# Altium PCB PCB_4Layer.PcbDoc
Units mm, origin at the board's own origin, x right, y up, seen from the top; angles counter-clockwise.
Board outline 43.08 x 74.79 mm, 4 copper layers (Top Layer, Signal Layer 1, Signal Layer 2, Bottom Layer), stack 1.58 mm thick; 40 components, 62 nets, 221 pads, 39 vias.
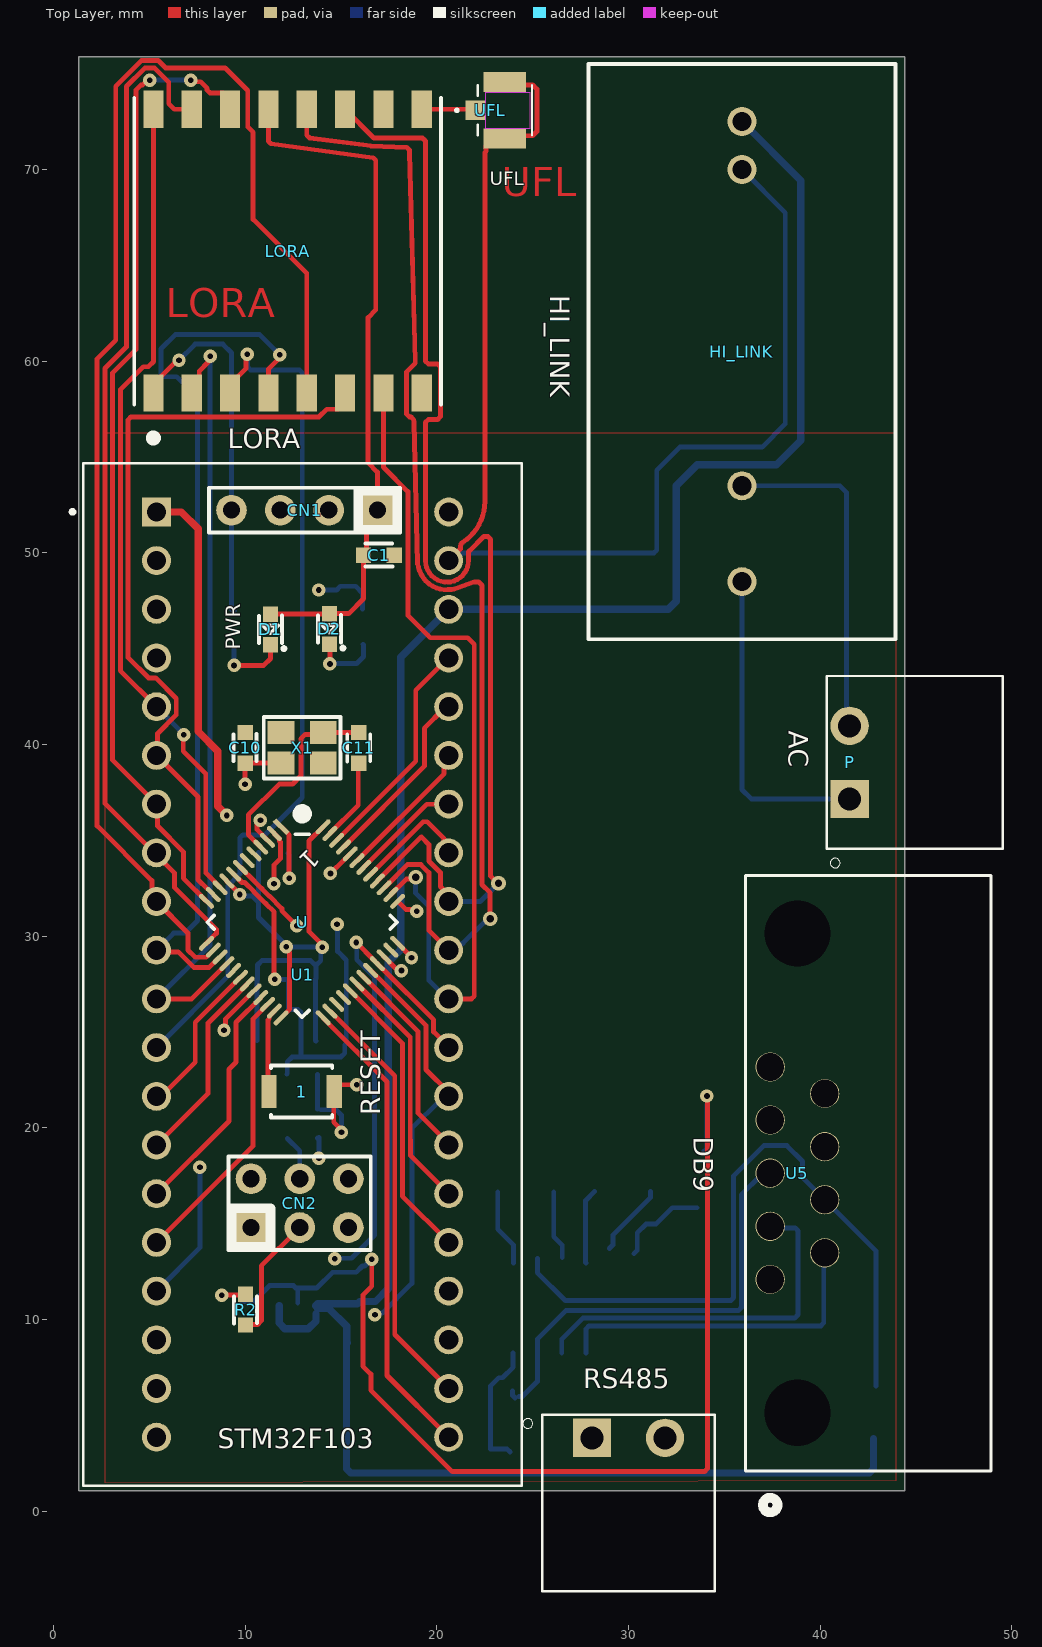
[diagram p0: Top Layer view]
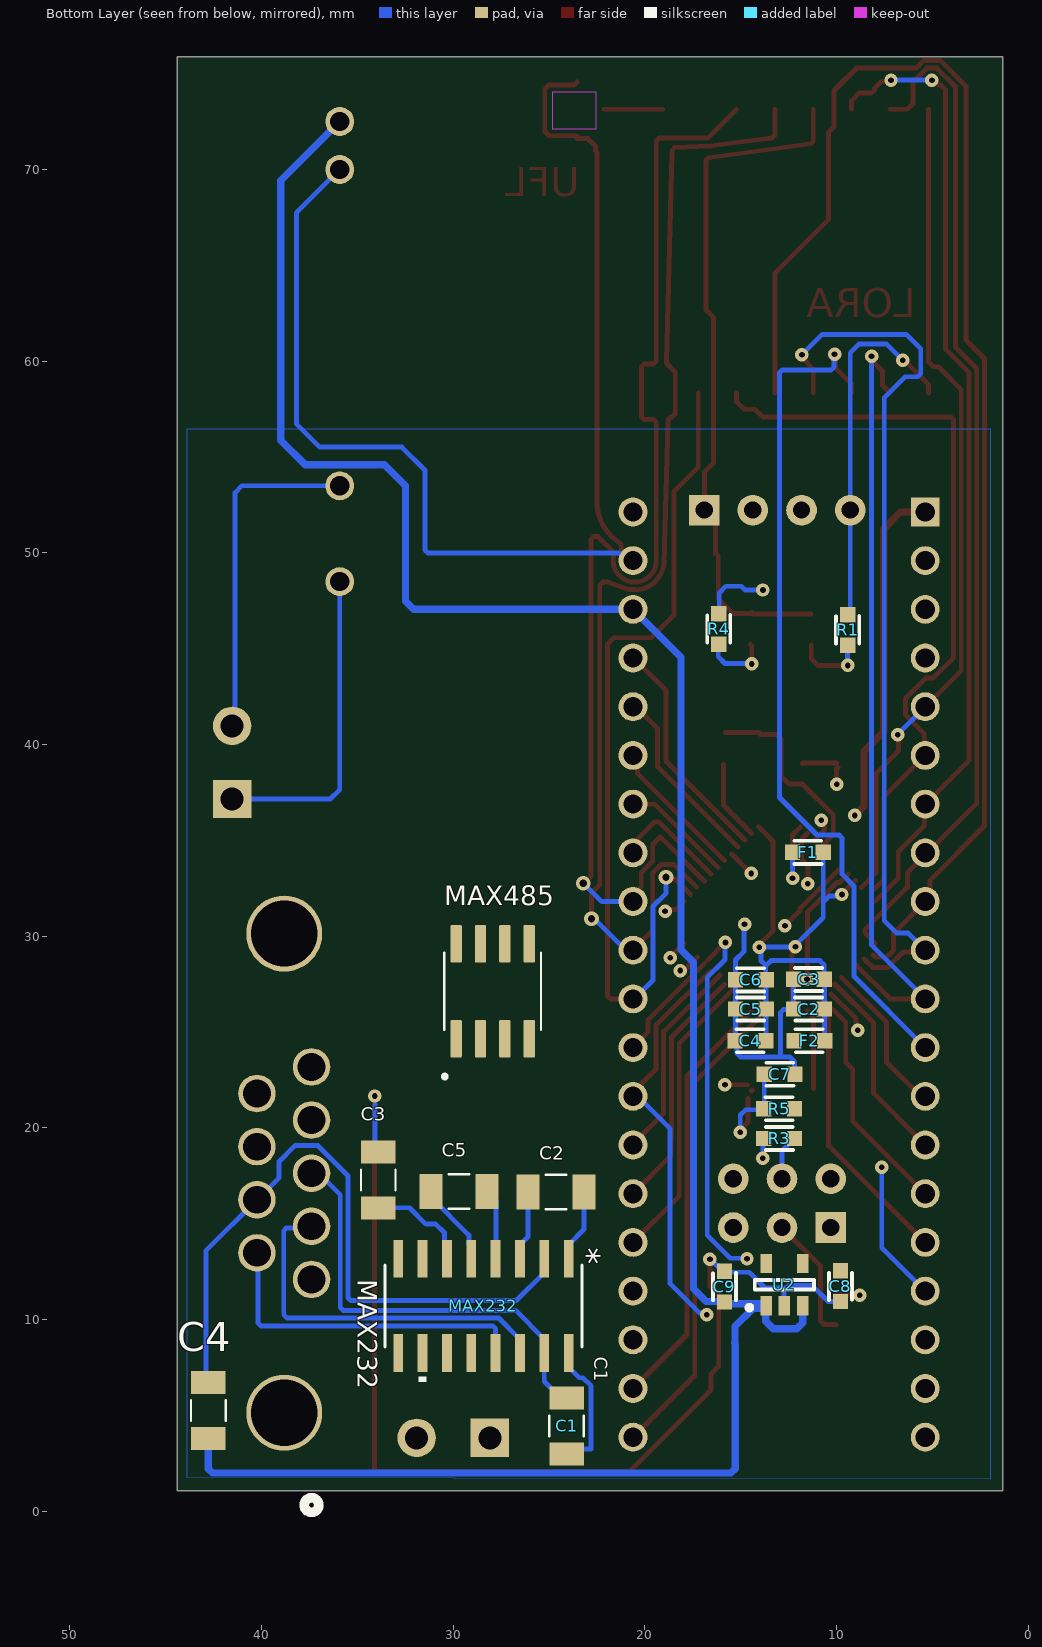
[diagram p1: Bottom Layer view, seen from below]
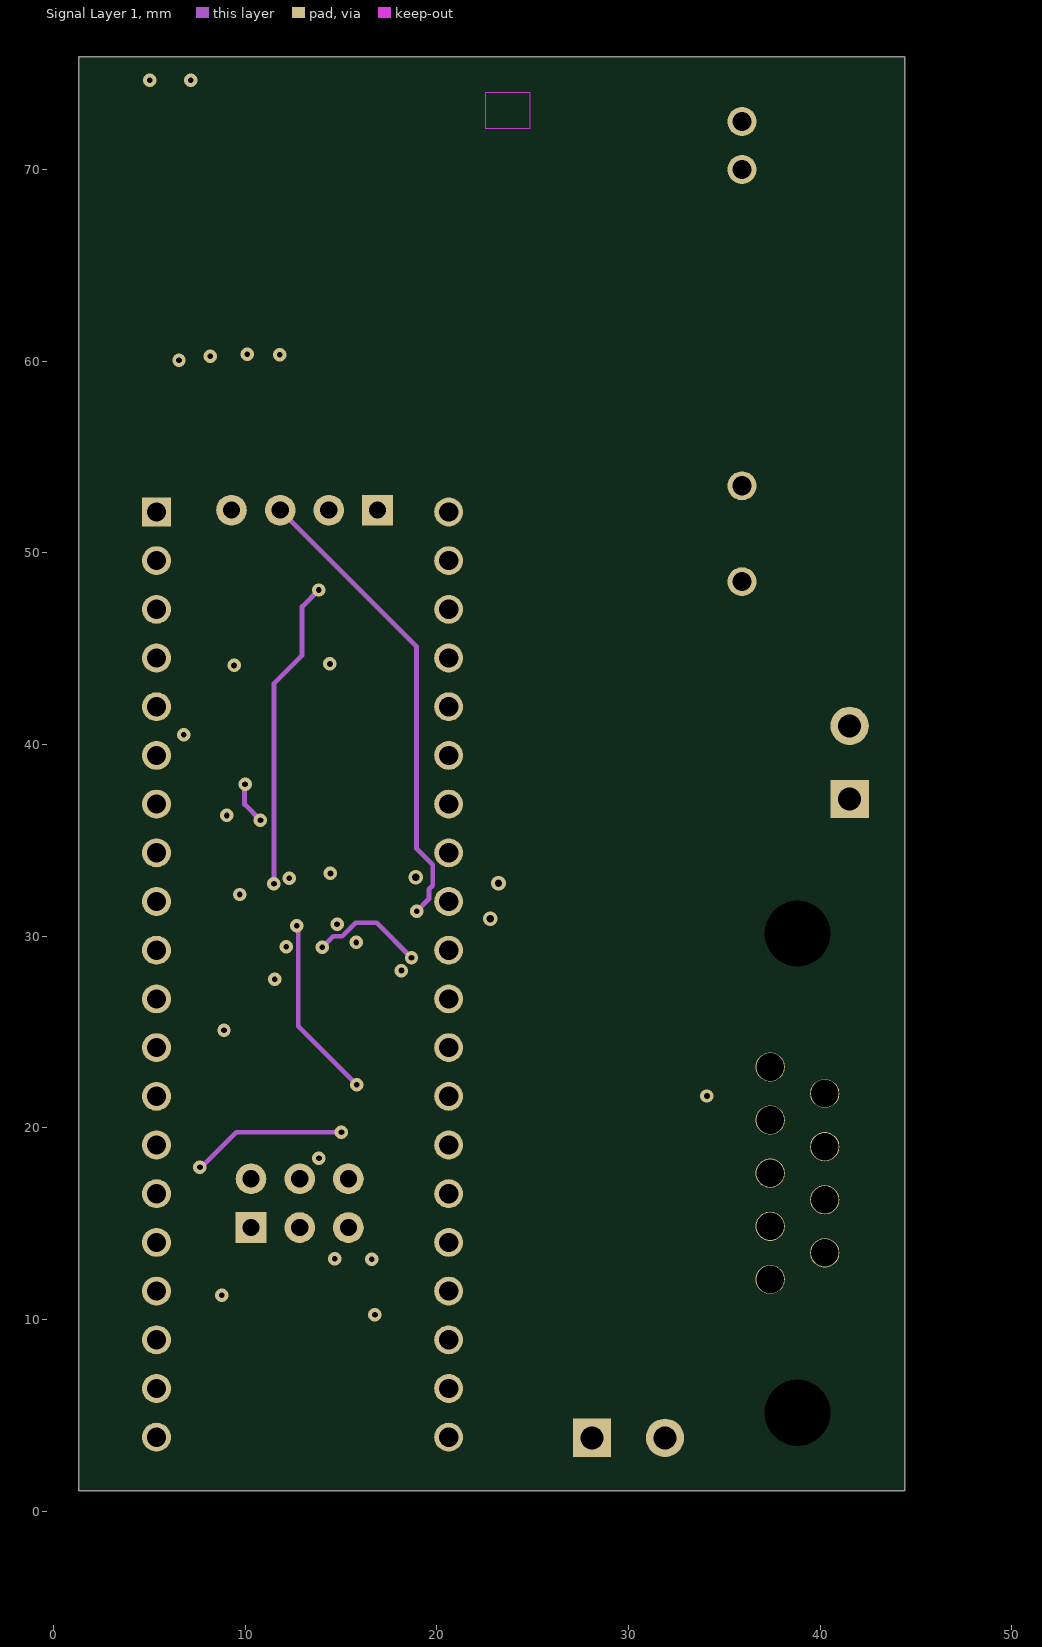
[diagram p2: Signal Layer 1]
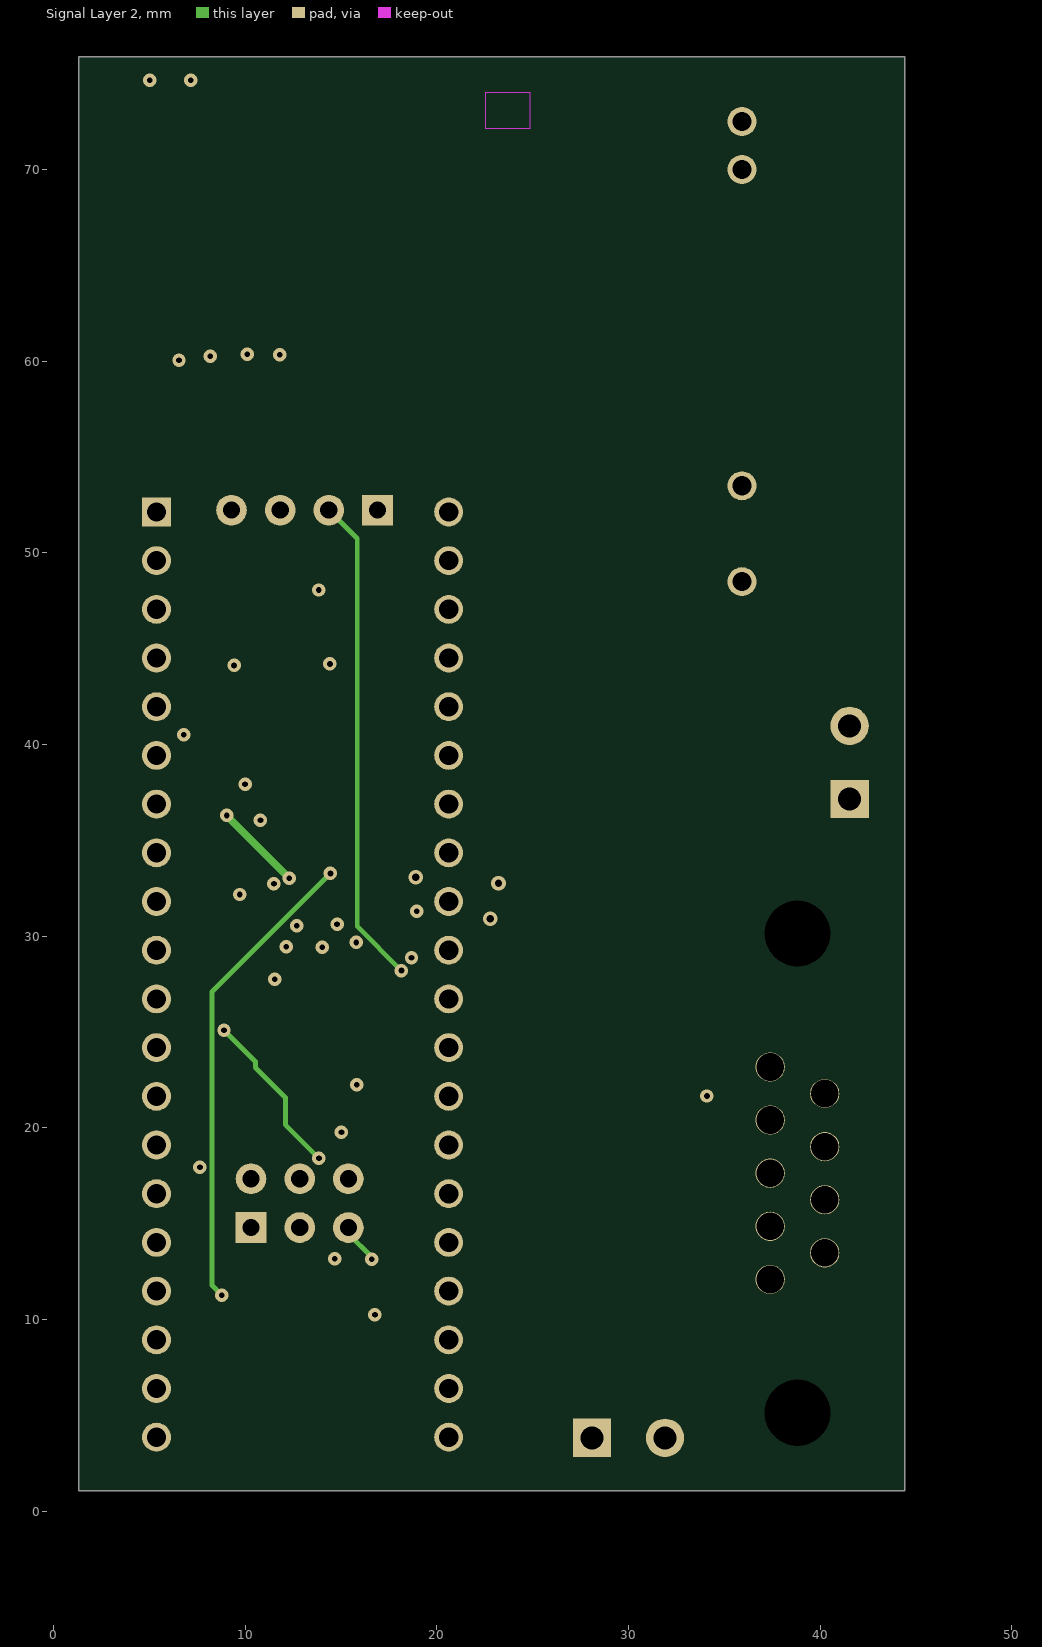
[diagram p3: Signal Layer 2]
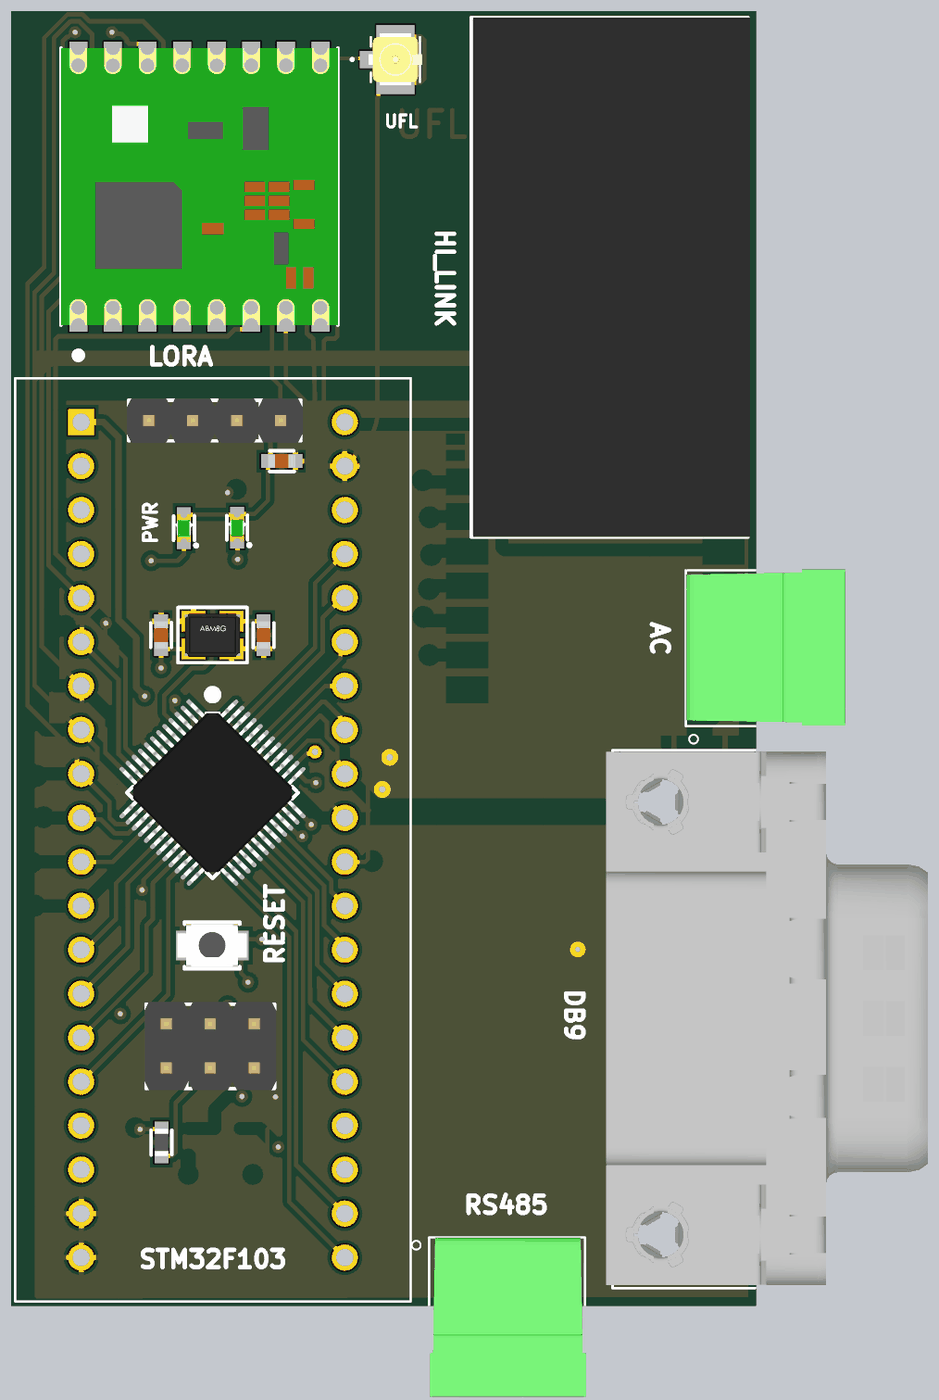
[diagram p4: 3D render of the assembled board from above, using the file's embedded part models]
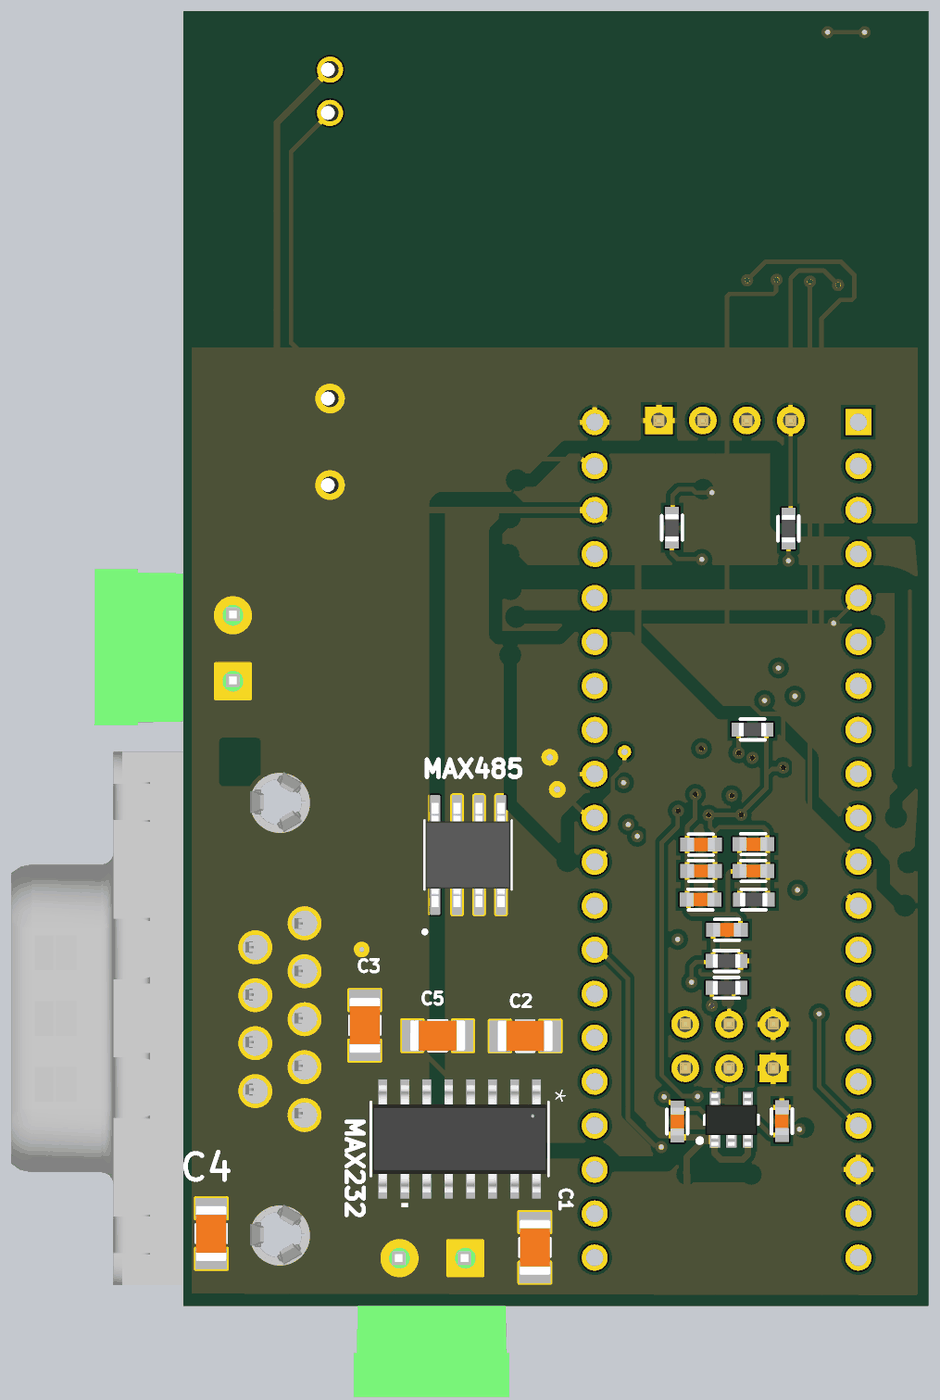
[diagram p5: 3D render of the assembled board from below, using the file's embedded part models]

## Layer stack, top to bottom
Top Solder GREEN: solder mask 0.01, Solder Resist, Dk 3.5
Top Layer: signal copper 0.035
Dielectric1: prepreg 0.12, 1080, Dk 4.8
Signal Layer 1: signal copper 0.035
Dielectric 3: core 1.2, FR-4, Dk 4.2
Signal Layer 2: signal copper 0.035
Dielectric 2: prepreg 0.12, 1080, Dk 4.8
Bottom Layer: signal copper 0.035
Bottom Solder GREEN: solder mask 0.01, Solder Resist, Dk 3.5

## Board outline
1.325,1.075 1.325,75.87 44.4,75.87 44.4,1.075

## Design rules (kind name [scope] priority, off if disabled: settings)
Clearance FIDUCIAL_0.5mm [HasFootprint('FIDUCIAL')] p1: gap=0.5 ignorepadtopadclearanceinfootprint=FALSE except(0: Arc-Hole Track-Hole SMDPad-Hole THPad-Hole Via-Hole Fill-Hole Poly-Hole Region-Hole Text-Hole)
Clearance Clearance_PolygonPlane [IsRegion] p2: gap=0.25 ignorepadtopadclearanceinfootprint=FALSE except(0: Arc-Hole Track-Hole SMDPad-Hole THPad-Hole Via-Hole Fill-Hole Poly-Hole Region-Hole Text-Hole)
Clearance Clearence_default [All] p3: gap=0.15 ignorepadtopadclearanceinfootprint=FALSE except(0: Arc-Hole Track-Hole SMDPad-Hole THPad-Hole Via-Hole Fill-Hole Poly-Hole Region-Hole Text-Hole)
ComponentClearance [All] p1: gap=0.1 collisioncheckmode=3 verticalgap=0.2 showdistances=FALSE
FabricationTestPointUsage TestPointUsage [All] p1: valid=0 allowmultiple=FALSE
FabricationTestpoint Testpoint [All] p1: side=3 testpointundercomponent=TRUE minsize=1.016 maxsize=2.54 preferedsize=1.524 minholesize=0 maxholesize=1.016 preferedholesize=0.813 testpointgrid=0.025 allowsidetop=TRUE allowsidebottom=TRUE usegrid=TRUE gridtolerance=0
HoleSize [All] p1: absolutevalues=TRUE maxlimit=6 minlimit=0.3 maxpercent=80.000 minpercent=20.000
HoleToHoleClearance [All] p1: gap=0.2 allowstackedmicrovias=TRUE
MinimumSolderMaskSliver [All] p1: minsoldermaskwidth=0.15
PlaneClearance [All] p1: clearance=0.5
PlaneConnect [All] p1: planeconnectstyle=Relief reliefexpansion=0.5 reliefentries=4 reliefconductorwidth=0.2 reliefairgap=0.2
PolygonConnect EP_direct [(InPadClass('EP'))] p1: connectstyle=Direct reliefconductorwidth=0.254 reliefentries=4 polygonreliefangle="90 Angle" airgapwidth=0.254
PolygonConnect PAD_thermal [(InPadClass('All Pads'))] p2: connectstyle=Relief reliefconductorwidth=0.3 reliefentries=4 polygonreliefangle="90 Angle" airgapwidth=0.254
PolygonConnect Vias_Rest_direct [All] p3: connectstyle=Direct reliefconductorwidth=0.4 reliefentries=4 polygonreliefangle="90 Angle" airgapwidth=0.254
RoutingCorners [All] p1: cornerstyle=45-Degree minsetback=2 maxsetback=2
RoutingVias [All] p1: holewidth=0.3 width=0.7 viastyle="Through Hole" minholewidth=0.3 minwidth=0.6 maxholewidth=0.8 maxwidth=2
SilkToSilkClearance [All] p1: silktosilkclearance=0.1
SilkToSolderMaskClearance SilkscreenOverComponentPads [IsPad] p1: minsilkscreentomaskgap=0.1 clearancetoexposedcopper=TRUE
SolderMaskExpansion SolderMaskExpansion_VIA [IsVia] p1: expansion=-0.2 istentingtop=FALSE
SolderMaskExpansion [All] p2: expansion=0.1 istentingtop=FALSE
Width [All] p1: maxlimit=2 minlimit=0.15 preferedwidth=0.3
19 further rules are at their usual default settings.

## Classes and differential pairs
component class A2_Main_Template: 1 C1 C2 C3 C4 C5 C6 C7 C8 C9 C10 C11 CN1 CN2 D1 D2 F1 F2 HI_LINK LORA MAX232 MAX485 R1 R2 R3 R4 R5 U U1 U2 UFL X1

## Components (designator, comment, footprint, x,y, rotation, side; value= is the part's Value field where it differs from the comment)
1 "B3U-1000P" Omron_B3U-1000P_M_0 12.95,21.9 r0 top
C1 "CL31B105KBHNNNE" CAPC3216X180N 24.079,4.458 r270 bottom (schematic designator C)
C1 "100nF" CAPC1608_08 16.975,49.875 r0 top
C2 "CL31B105KBHNNNE" CAPC3216X180N 24.638,16.662 r180 bottom (schematic designator C12)
C2 "100nF" CAPC1608_08 11.45,26.2 r0 bottom
C3 "CL31B105KBHNNNE" CAPC3216X180N 33.909,17.285 r270 bottom (schematic designator C13)
C3 "100nF" CAPC1608_08 11.45,27.75 r0 bottom
C4 "CL31B105KBHNNNE" CAPC3216X180N 42.774,5.258 r90 bottom (schematic designator C14)
C4 "100nF" CAPC1608_08 14.5,24.55 r0 bottom
C5 "CL31B105KBHNNNE" CAPC3216X180N 29.693,16.688 r180 bottom (schematic designator C15)
C5 "100nF" CAPC1608_08 14.475,26.2 r0 bottom
C6 "1uF/10V" CAPC1608_08 14.475,27.725 r0 bottom
C7 "100nF" CAPC1608_08 12.975,22.8 r180 bottom
C8 "1uF/10V" CAPC1608_08 9.8,11.75 r270 bottom
C9 "1uF/10V" CAPC1608_08 15.85,11.725 r90 bottom
C10 "18pF" CAPC1608_08 10,39.825 r90 top
C11 "18pF" CAPC1608_08 15.925,39.825 r270 top
CN1 "Header_1x4_WE_61300411121" Header_1x4 13.1,52.225 r180 top
CN2 "Header_2x3_WE_61300621121" Header_2x3 12.85,16.075 r0 top
D1 "LED_OSRAM_LGQ396" LED1608_04_GREEN 11.325,46 r90 top
D2 "LED_OSRAM_LGQ396" LED1608_04_GREEN 14.4,46.025 r90 top
F1 "F_BLM18PG471SN1D" IND1608_08 11.5,34.375 r180 bottom
F2 "F_BLM18PG471SN1D" IND1608_08 11.425,24.55 r0 bottom
HI_LINK "HLK-2M05" HLK-2M05 35.916,60.492 r90 top (schematic designator Q1)
LORA "RFM95W-868S2" XCVR_RFM95W-868S2 12.217,65.735 r90 top (schematic designator U3)
MAX232 "ST232CDR_1" SO-16_STM 28.423,10.719 r270 bottom (schematic designator CR1)
MAX485 "MAX485ESA+T" SOIC127P600X175-8N 27.94,27.127 r90 bottom (schematic designator U4)
P "1803277" PHOENIX_1803277 41.529,39.065 r90 top
R1 "470R" RES1608_04 9.425,45.975 r90 bottom
R2 "100k" RES1608_04 10.025,10.525 r270 top
R3 "100k" RES1608_04 13,19.45 r180 bottom
R4 "470R" RES1608_04 16.15,46.025 r90 bottom
R5 "10k" RES1608_04 13,21 r0 bottom
RS485 "1803277" PHOENIX_1803277 29.997,3.835 r0 top (schematic designator P1)
U "STM32F103C8T6" LQFP48 12.975,30.725 r315 top
U1 "BluePill" BluePill 13,28 r0 top locked
U2 "TLV71333PDBVR" SOT23-5 12.725,11.825 r90 bottom
U5 "DE09-PL-25" DE09-PL-25_ADM 37.389,12.1 r90 top
UFL "U.FL-R-SMT(10)" HRS_U.FL-R-SMT(10) 23.546,73.076 r0 top (schematic designator J1)
X1 "Crystal 3225 12.00MHz ABM8G" 3225_XTAL_ABM8G 12.975,39.825 r0 top

## Footprints (in the part's own frame and the unit in brackets; to place one, negate y for a bottom-side part, rotate by r counter-clockwise, add the part's x,y. Pads: shape width x height; smd on the part's side, far side on the other; paste and mask are expansions set on the pad)
3225_XTAL_ABM8G [mm] "Crystal 3225"
  rect 1.4x1.2 smd paste-0.2: 1(-1.1,-0.8) 2(1.1,-0.8) 3(1.1,0.8) 4(-1.1,0.8)
  silkscreen extent -2,-1.6 2,1.6, body extent -1.6,-1.25 1.6,1.25, height 1.01
BluePill [mm]
  rect 1.508x1.508 hole 1: 1(-7.62,24.13)
  round 1.508 hole 1: 2(-7.62,21.59) 3(-7.62,19.05) 4(-7.62,16.51) 5(-7.62,13.97) 6(-7.62,11.43) 7(-7.62,8.89) 8(-7.62,6.35) 9(-7.62,3.81) 10(-7.62,1.27) 11(-7.62,-1.27) 12(-7.62,-3.81) 13(-7.62,-6.35) 14(-7.62,-8.89) 15(-7.62,-11.43) 16(-7.62,-13.97) 17(-7.62,-16.51) 18(-7.62,-19.05) 19(-7.62,-21.59) 20(-7.62,-24.13) 21(7.62,-24.13) 22(7.62,-21.59) 23(7.62,-19.05) 24(7.62,-16.51) 25(7.62,-13.97) 26(7.62,-11.43) 27(7.62,-8.89) 28(7.62,-6.35) 29(7.62,-3.81) 30(7.62,-1.27) 31(7.62,1.27) 32(7.62,3.81) 33(7.62,6.35) 34(7.62,8.89) 35(7.62,11.43) 36(7.62,13.97) 37(7.62,16.51) 38(7.62,19.05) 39(7.62,21.59) 40(7.62,24.13)
  silkscreen extent -12.1,-26.67 11.43,26.67
CAPC1608_08 [mm] "Chip Capacitor, Body 1.6x0.8x0.8mm"
  rect 0.8x0.8 smd: 1(-0.8,0) 2(0.8,0)
  silkscreen extent -0.7,-0.6 0.72,0.6, body extent -0.8,-0.4 0.8,0.4, height 0.5
CAPC3216X180N [mm]
  rect 1.2x1.82 smd: 1(-1.46,0) 2(1.46,0)
  silkscreen extent -0.54,-0.9 0.54,0.9, body extent -1.6,-0.89 1.6,0.91, height 1.59
DE09-PL-25_ADM [mil]
  round 60 / inner round 60 / far side round 77 hole 57 paste-38.5 mask+0: 1(0,0) 2(54.53,-112) 3(109.06,0) 4(163.58,-112) 5(218.11,0) 6(272.64,-112) 7(327.17,0) 8(381.69,-112) 9(436.22,0)
  round 60 / inner round 60 / far side round 156 hole 136 paste-78 mask-78: 10(-273.82,-56) 11(710.04,-56)
  silkscreen extent -478,-453 830,51, body extent -386,-667 826,65, height 494
Header_1x4 [mm]
  rect 1.6x1.6 hole 0.9: 1(-3.81,0)
  round 1.6 hole 0.9: 2(-1.27,0) 3(1.27,0) 4(3.81,0)
  silkscreen extent -4.98,-1.17 4.98,1.17, body extent -5.08,-1.27 5.08,1.27, height 8.57
Header_2x3 [mm]
  rect 1.6x1.6 hole 0.9: 1(-2.54,-1.27)
  round 1.6 hole 0.9: 2(-2.54,1.27) 3(0,-1.27) 4(0,1.27) 5(2.54,-1.27) 6(2.54,1.27)
  silkscreen extent -3.71,-2.44 3.71,2.44, body extent -3.81,-2.52 3.81,2.56, height 7.27
HLK-2M05 [mm]
  round 1.508 hole 1: 1(-12,0) 2(-7,0) 3(9.5,0) 4(12,0)
  silkscreen extent -15,-8 15,8, body extent -15,-8.14 15,7.87, height 19
HRS_U.FL-R-SMT(10) [mm]
  rect 1.05x1 smd: 1(-1.525,0)
  rect 2.2x1.05 smd: 2(0,1.475) 3(0,-1.475)
  Keep-Out Layer region: 1.3,-0.95 -1,-0.95 -1,0.95 1.3,0.95
  silkscreen extent -2.57,-1.3 1.42,1.3, body extent -1.55,-1.5 1.55,1.5, height 1.25
IND1608_08 [mm] "Body 1.6x0.8x0.8mm"
  rect 0.8x0.8 smd: 1(-0.8,0) 2(0.8,0)
  silkscreen extent -0.7,-0.6 0.72,0.6, body extent -0.8,-0.4 0.8,0.4, height 0.38
LED1608_04_GREEN [mm] "Chip LED, Body 1.6x0.8x0.4mm"
  rect 0.8x0.8 smd: 1(0.8,0) 2(-0.8,0)
  silkscreen extent -1.05,-0.75 0.72,0.6, body extent -0.8,-0.4 0.8,0.4, height 0.6
LQFP48 [mm] "48-Lead Plastic LQFP 7x7x1.6mm Body"